# Altium PCB iMX53_BB_PCB_V1I2.PcbDoc (part 7 of 9)
Units mm, origin at the board's own origin, x right, y up, seen from the top; angles counter-clockwise.
Board outline 165 x 100.5 mm, 6 copper layers (Top, GND, SignalH, SignalV, Power, Bottom); 582 components, 590 nets, 2473 pads, 1817 vias.
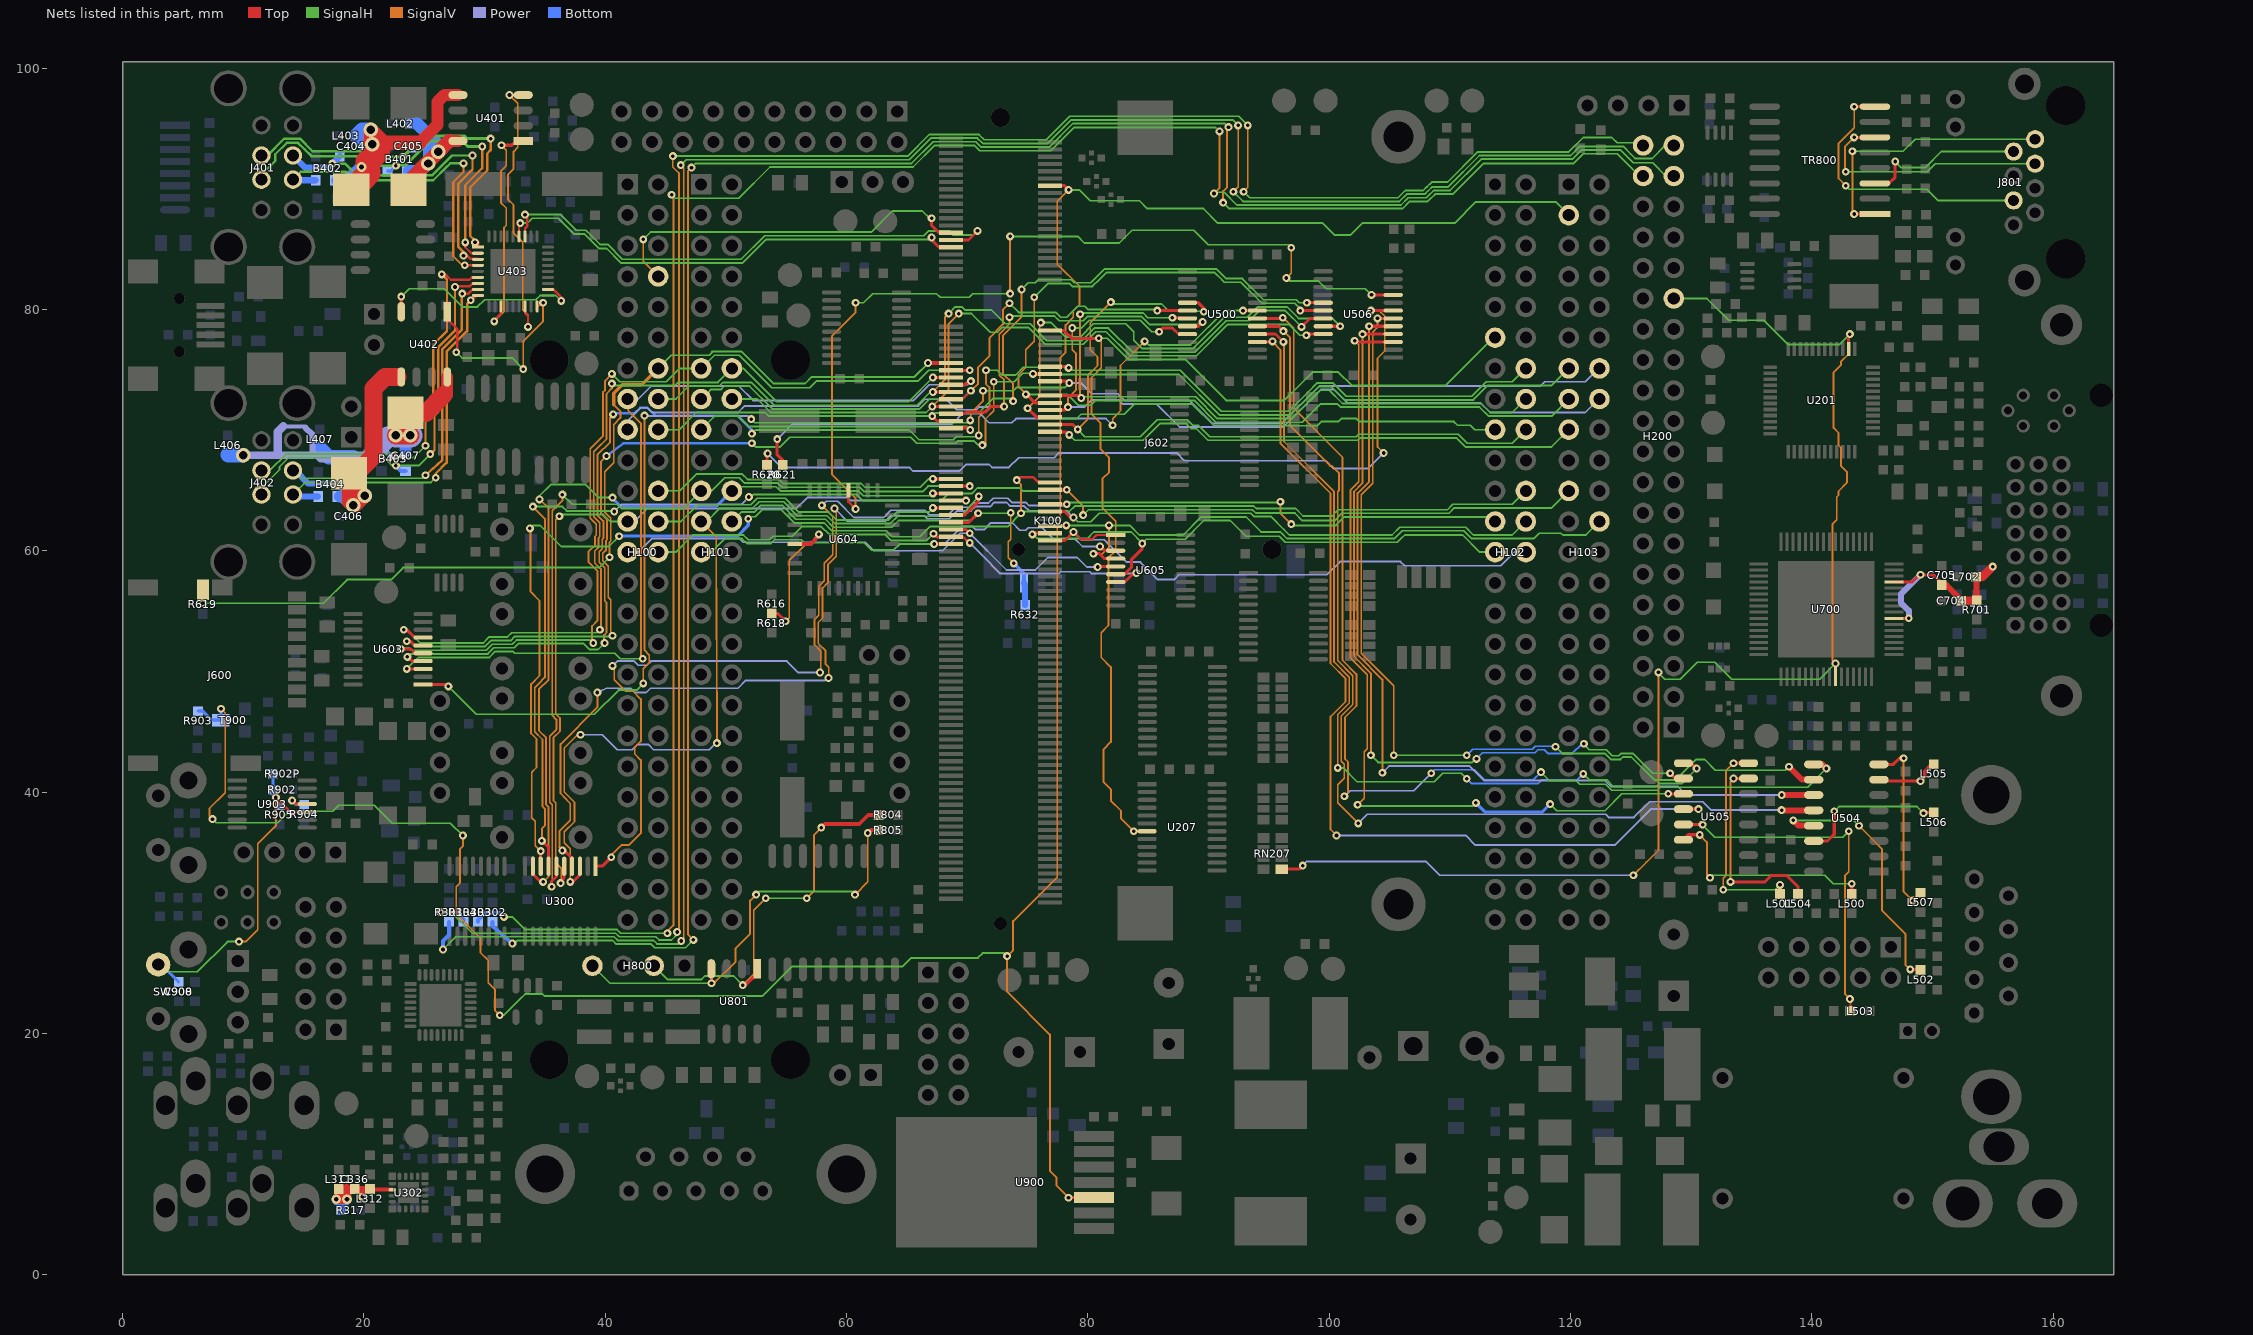
[diagram p11: the nets of this part, all layers, seen from the top]

## Via types
v1: diameter 0.65, hole 0.3, Top to Bottom, tented both sides, 1294 vias
v2: diameter 0.8, hole 0.4, Top to Bottom, tented both sides, 303 vias
v3: diameter 1.2, hole 0.7, Top to Bottom, tented both sides, 213 vias
v4: diameter 0.65, hole 0.3, Top to Bottom, 4 vias
v5: diameter 0.8, hole 0.4, Top to Bottom, 1 vias
v6: diameter 1.27, hole 0.711, Top to Bottom, tented both sides, 1 vias
v7: diameter 1.2, hole 0.7, Top to Bottom, 1 vias

## Nets (pads, with @x,y where several pads share a name; then routed paths per layer and width w, separated by ;. In a path a pad name is that pad's centre, name@x,y a point inside that pad or via, vN(x,y) a via of type N, cw(c..) or ccw(c..) an arc to the next point about the centre after c; other vN are vias at no path point) (continued)
POWER_ON: H103.3 K100.14 R903.1 T900.3 U900.3 | length 234.6
  Top w0.15: K100.14@76.527,90.25 K100.14@76.839,90.192
  Top w0.25: K100.14@76.85,90.25 78.05,90.25 v1(78.4,89.9) ; v1(78.393,6.38) U900.3@80.496,6.38
  SignalH w0.15: v1(7.45,37.75) 7.75,37.45 12.85,37.45 13.8,38.4 17.4,38.4 17.9,38.9 20.85,38.9 22.338,37.412 27.137,37.412 v1(28.2,36.4) ; v1(31.25,21.5) 31.6,21.5 32.878,22.778 33.35,23.25 34.8,23.25 34.95,23.1 53.05,23.1 55.5,25.55 64.65,25.55 65.354,26.254 70.878,26.254 71.274,26.65 73.05,26.65 v1(73.3,26.4) ; v1(78.4,89.9) 79.276,89.9 80.176,89 84.273,89 84.923,88.35 89.576,88.35 90.776,87.15 99.45,87.15 100.45,86.15 101.727,86.15 102.727,87.15 110.4,87.15 112.15,88.9 118.76,88.9 H103.3@119.85,87.81
  SignalV w0.15: v1(7.45,37.75) 7.2,38 7.2,38.65 8.5,39.95 8.5,46.55 v1(8.15,46.9) ; v1(28.2,36.4) 28.207,35.957 28.207,35.507 27.95,35.25 27.95,32.45 27.65,32.15 27.65,29.9 29.65,27.9 29.65,26.7 30.3,26.05 30.3,24.2 30.85,23.65 30.85,21.9 v1(31.25,21.5) ; v1(78.393,6.38) 77.4,7.373 77.4,8.05 76.85,8.6 76.85,19.9 73.3,23.45 v1(73.3,26.4) 73.8,26.9 73.8,29.3 77.45,32.95 77.45,62.2 77.7,62.45 77.7,76 78.15,76.45 78.15,78.7 78.783,79.333 78.783,79.883 79.3,80.4 79.3,81.9 77.45,83.75 77.45,88.95 v1(78.4,89.9)
  Bottom w0.25: R903.1@6.25,46.7 6.65,46.7 7.4,45.95 T900.3@8.15,45.95 v1(8.15,46.9)
PRTPWR1: U401.1 U403.12 | length 19
  Top w0.2: v1(30.8,79) 30.9,79.2 31.35,79.65 U403.12@31.35,80.25
  Top w0.25: v1(31.4,93.6) 32.25,93.6 32.6,93.95 U401.1@33.2,93.95
  SignalV w0.15: v1(30.8,79) 31.6,79.8 31.6,86.75 31.8,86.95 31.8,88.401 31.35,88.851 31.35,91.449 31.8,91.899 31.8,92 31.8,93.2 v1(31.4,93.6)
PRTPWR2: U401.4 U403.16 | length 23.5
  Top w0.2: v1(32.06,97.76) U401.4@33.2,97.76 ; U403.16@33.35,80.25 33.35,79.7 33.6,79.45 v1(33.6,78.55)
  SignalV w0.15: v1(32.06,97.76) 32.75,97.07 32.75,93.426 32.4,93.076 32.4,91.65 31.95,91.2 31.95,89.1 32.4,88.65 32.4,86.3 33.155,85.545 33.155,79.955 33.61,79.5 33.61,78.89 v1(33.6,78.55)
PRTPWR3: U402.1 U403.18 | length 16.7
  Top w0.2: U402.1@26.9,79.8 26.9,79.2 27.75,78.35 27.75,76.45 v1(27.65,76.45) ; U403.18@34.35,80.25 v1(34.85,80.55)
  SignalH w0.15: v1(27.65,76.45) 28.125,75.975 32.275,75.975 v1(33.2,75.05)
  SignalV w0.15: v1(33.2,75.05) 33.2,77.35 34.85,79 v1(34.85,80.55)
PRTPWR4: U402.4 U403.20 | length 17.7
  Top w0.2: U403.20@35.25,81.65 35.7,81.65 35.923,81.427 36.216,81.134 36.35,81 v1(36.35,80.7)
  Top w0.25: U402.4@23.09,79.8 v1(23.09,81.052)
  SignalH w0.15: v1(23.09,81.052) 23.738,81.7 26.65,81.7 28.15,80.2 29.4,80.2 30,80.8 34.25,80.8 34.6,81.15 35.9,81.15 v1(36.35,80.7)
PSAVE: H200.29 RN207.5 U201.38 U700.10 | length 112.1
  Top w0.15: U700.10@141.95,49.55 U700.10@141.951,49.499
  Top w0.2: U700.10@141.951,49.499 U700.10@141.95,49.55 v1(141.95,50.65)
  Top w0.25: RN207.5@96.062,33.605 97.505,33.605 v1(97.8,33.9) ; U201.38@143.05,76.7 143.05,77.85 v1(143.15,77.95)
  SignalH w0.15: v1@127.25,49.9 127.261,49.889 127.8,49.35 129.1,49.35 130.5,50.75 131.95,50.75 133.35,49.35 140.65,49.35 v1(141.95,50.65) ; H200.29@128.55,80.9 131.3,80.9 133.1,79.1 136,79.1 138,77.1 142.3,77.1 v1(143.15,77.95)
  SignalV w0.15: v1(125.2,33.1) 126.3,34.2 127.286,35.186 v1(127.286,49.914) ; v1(141.95,50.65) 141.7,50.9 141.7,62.2 142.05,62.55 142.05,64.45 142.2,64.6 142.2,64.924 142.9,65.624 142.9,66.526 142.4,67.026 142.4,68.551 142.2,68.751 142.2,69.776 141.8,70.176 141.8,74.775 142.4,75.375 142.4,75.65 143.05,76.3 143.05,77.85 v1(143.15,77.95)
  Power w0.15: v1(97.8,33.9) 98.15,34.25 108,34.25 109.15,33.1 v1(125.2,33.1)
PWM: H102.11 K100.42 U207.7 | length 87.7
  Top w0.15: K100.42@76.85,78.25 K100.42@76.95,78.25
  Top w0.25: K100.42@76.95,78.25 78,78.25 78.65,77.6 v1(80.9,77.6) ; v1(83.8,36.75) U207.7@84.9,36.75
  SignalH w0.15: v1(80.9,77.6) 81.6,77.6 83.35,75.85 88.05,75.85 91.45,72.45 96.276,72.45 97.637,73.812 98.626,74.8 100.75,74.8 101.85,73.7 109.651,73.7 H102.11@113.601,77.65
  SignalV w0.15: v1@81.1,77.4 81.1,75.15 80.3,74.35 80.3,71.3 81.05,70.55 81.05,68.4 81.75,67.7 81.75,66.5 81.2,65.95 81.2,63.55 82.3,62.45 82.3,60 81.7,59.4 81.7,53.8 81.1,53.2 81.1,51.15 81.9,50.35 81.9,44.149 81.3,43.549 81.3,40.826 81.9,40.226 81.9,39.276 82.75,38.426 82.75,37.8 83.307,37.243 v1(83.8,36.75)
PWR1: B401.1 C405.1 L402.1 U401.8 | length 15.7
  Top w1: C405.1@23.7,89.925 C405.1@23.7,90.6 ; U401.8@27.05,93.95 U401.8@27.8,93.95
  Top w1.2: C405.1@23.7,90.6 25.262,92.162 v3(26.175,93.075) U401.8@27.05,93.95
  Bottom w0.8: L402.1@23.8,95.4 24.4,95.4
  Bottom w1: B401.1@23.75,91.45 24.7,91.45 v3@25.051,91.801 ; 24.4,95.4 25.4,94.4 ; v3(25.337,92.087) v3@25.051,91.801 ; v3@25.4,92.15 v3@25.4,92.3 ; v3@25.051,91.801 25.051,91.951 25.262,92.162 v3@25.4,92.3 ; v3@25.4,92.3 v3(26.175,93.075) 26.175,93.625 25.4,94.4 ; v3@25.4,92.3 25.4,93.075 25.4,94.4
PWR2: B402.1 C404.1 L403.2 U401.5 | length 24.9
  Top w1: C404.1@18.95,89.925 19.8,90.775 C404.1@19.902,90.785 ; v3@20.836,93.836 21.261,93.411 ; 21.152,93.29 21.261,93.411 ; 21.65,93.8 21.261,93.411 ; 24.6,93.8 26.1,95.3 26.1,97.2 26.66,97.76 U401.5@27.8,97.76
  Top w1.2: v3(20.7,93.7) 20.55,93.85 v3(20.55,94.9) 21.225,94.225 21.65,93.8 24.6,93.8
  Top w2: C404.1@19.902,90.785 20.361,91.291 20.335,91.826 20.317,92.198 21.16,93.127 21.152,93.29
  Bottom w1: B402.1@17.8,90.7 18.55,90.7 v2(19.8,91.8) ; L403.2@19.3,94.4 19.35,94.4 20.15,94.4
  Bottom w1.2: L403.2@19.35,94.4 19.85,94.9 v3(20.55,94.9) 20.7,94.75 v3(20.7,93.7) 20.05,93.7 L403.2@19.35,94.4
PWR3: B403.1 C407.1 L406.1 U402.8 | length 39.2
  Top w1: C407.1@23.45,71.425 23.45,69.6 v3(23.85,69.55) ; 26.9,72.9 U402.8@26.9,74.4
  Top w1.5: v3(22.65,69.55) 23.45,69.55 v3(23.85,69.55) ; C407.1@23.45,71.425 25.125,71.425 26.6,72.9
  Power w0.35: 13.3,70.3 15.05,70.3 15.15,70.2
  Power w0.5: 15.15,70.2 15.75,69.6 15.75,67.95 16,67.95 ; 20.6,67.75 20.4,67.55 16.4,67.55 16,67.95 ; 20.65,67.95 16,67.95 ; 21.95,69.55 v3(22.65,69.55)
  Power w0.6: v3(10,67.9) 15.75,67.9
  Power w0.7: 12.85,67.95 12.85,69.85 13.3,70.3
  Power w1.5: 20.65,67.95 21.95,69.25 21.95,69.55
  Power w2: v3(22.65,69.55) v3(23.85,69.55)
  Bottom w0.5: v3@23.45,69.55 v3(23.85,69.55)
  Bottom w1: B403.1@23.45,68.4 v3@23.45,69.55
  Bottom w1.2: L406.1@8.7,67.95 8.75,67.9 v3(10,67.9) ; v3(22.65,69.55) 23.45,69.55 v3(23.85,69.55)
PWR4: B404.1 C406.1 L407.2 U402.5 | length 29
  Top w1: C406.1@19.375,66.425 C406.1@18.75,66.425 18.75,65.35 v3(20.05,64.55)
  Top w1.2: C406.1@18.75,66.425 18.75,65.35 18.75,64.1 v3(19.1,63.75) 19.25,63.75 v3(20.05,64.55)
  Top w1.5: C406.1@19.375,66.425 20.8,67.85 20.8,73.45 21.75,74.4 U402.5@22.79,74.4
  Bottom w1: L407.2@16.35,68.45 L407.2@16.4,68.45 ; B404.1@18,64.5 18.35,64.5 19.1,64.5 19.2,64.5 v3(20.05,64.55) v3@19.6,64.9
  Bottom w1.2: L407.2@16.4,68.45 17.1,67.75 19.1,67.75 19.6,67.25 19.6,65 ; B404.1@18.35,64.5 v3(19.1,63.75) 19.25,63.75 v3(20.05,64.55) 19.6,65 ; v3@19.6,64.9 19.6,65
RFGND: C336.2 L311.1 L312.1 R317.2 U302.3 | length 10.4
  Top w0.35: L312.1@20.55,7.05 U302.3@22.35,7.05
  Top w0.5: L311.1@17.9,7.1 18.55,7.1 19.85,7.1 ; v1(19.85,6.45) 19.85,7.1 ; L312.1@20.5,7.1 19.85,7.1
  Top w0.8: L311.1@17.9,7.1 17.9,6.45 v2(17.7,6.25) v2(18.6,6.25) 18.55,6.3 18.55,7.1
  Bottom w0.8: R317.2@18.1,5.35 18.1,5.75 ; 18.1,5.75 18.15,5.8 v2(18.6,6.25) v2(17.7,6.25) 18.1,5.85 18.1,5.75
RXCAN: H800.4 R805.1 U801.4 | length 35.8
  Top w0.25: U801.4@48.79,25.35 v1(48.8,24.15)
  Top w0.3: v1(61.75,36.6) 62,36.85 R805.1@62.65,36.85
  SignalH w0.15: H800.4@38.94,25.6 40.39,24.15 v1(48.8,24.15) ; v1@52.617,31.383 v1(52.5,31.5) 52.75,31.75 60.45,31.75 v1(60.7,31.5)
  SignalV w0.15: v1(48.8,24.15) 49,24.15 50.8,25.95 50.8,27.05 52,28.25 52,31 v1(52.5,31.5) ; v1(60.7,31.5) 61.75,32.55 v1(61.75,36.6)
RXN: J801.6 TR800.8 | length 23.5
  Top w0.25: v1(143.5,96.795) TR800.8@145.222,96.795
  SignalH w0.15: v1(142.8,90.25) 143.1,89.95 149.5,89.95 150.42,89.03 J801.6@156.72,89.03
  SignalV w0.15: v1(142.8,90.25) 142.206,90.844 142.206,93.756 143.5,95.05 v1(143.5,96.795)
RXP: J801.3 TR800.6 | length 21.4
  Top w0.25: v1(143.5,94.255) TR800.6@145.222,94.255
  SignalH w0.15: v1(142.8,91.4) 149.55,91.4 150.22,92.07 J801.3@158.5,92.07
  SignalV w0.15: v1(142.8,91.4) 142.75,91.15 142.75,91.4 142.75,93.505 v1(143.5,94.255)
SBWCK: R904.2 U903.11 | length 2.5
  Top w0.25: v1(14.05,39.3) 14.35,39 U903.11@15.3,39
  Bottom w0.25: v1(14.05,39.3) 14.4,38.95 R904.2@15.05,38.95
SBWIO: C908.1 R902.1 R902P.1 R905.2 SW900.1 U903.10 | length 30.1
  Top w0.25: v1(12.7,39.55) 13.9,38.35 U903.10@15.3,38.35
  SignalH w0.15: SW900.1@2.95,25.7 3.55,25.1 6.2,25.1 8.7,27.6 v1(9.65,27.6)
  SignalV w0.15: v1(9.65,27.6) 10.2,27.6 11.2,28.6 11.2,35.7 12.7,37.2 v1(12.7,39.55)
  Bottom w0.25: SW900.1@3.2,25.7 C908.1@4.65,24.25 ; R902P.1@12.45,41.5 R902.1@12.45,40.2 12.45,39.8 v1(12.7,39.55) ; R905.2@12.75,38.9 v1(12.7,39.55) ; R905.2@13,38.9 13,39.25 v1(12.7,39.55)
SCR_RESET: U506.9 U604.28 | length 75.7
  Top w0.2: U604.28@60.15,65 60.15,64.05 v1(60.75,63.45) ; v1@60.7,63.4 v1@60.8,63.3
  Top w0.25: v1(103.5,81.2) U506.9@105.3,81.2
  SignalH w0.15: v1(60.75,80.55) 61.4,80.55 62.15,81.3 67.45,81.3 67.75,81 70.15,81 70.45,81.3 v1(73.55,81.3) v1@73.65,81.3 ; v1(73.55,86.05) 79.15,86.05 79.7,85.5 82.6,85.5 83.65,86.55 88.754,86.55 89.954,85.35 96.6,85.35 v1(96.85,85.1) ; v1(96.45,82.6) 96.7,82.35 99.1,82.35 99.75,81.7 103,81.7 v1(103.5,81.2)
  SignalV w0.15: v1(60.75,63.45) 60.75,64.35 58.8,66.3 58.8,77.8 60.75,79.75 v1(60.75,80.55) ; v1(73.55,81.3) v1(73.55,86.05) v1@73.55,86.2 ; v1(96.45,82.6) 96.85,83 v1(96.85,85.1)
SCR_RXD: R620.1 U506.7 | length 69.4
  Top w0.25: R620.1@53.4,67.1 v1@53.4,68 ; v1(103.45,79.9) U506.7@105.3,79.9
  SignalV w0.15: v1(103.45,79.9) 104.15,79.9 104.6,79.45 104.6,76.55 104,75.95 104,68.6 v1(104.5,68.1)
  Power w0.15: v1(53.45,68.05) 54.6,66.9 65.2,66.9 65.5,66.6 69.35,66.6 69.9,67.15 71.8,67.15 72.05,66.9 73.45,66.9 74.25,67.7 77.2,67.7 77.6,68.1 87.35,68.1 88,67.45 99.7,67.45 100.35,66.8 103.2,66.8 v1(104.5,68.1)
SCR_SDWN: R616.1 R618.2 U604.5 | length 12.4
  Top w0.25: R618.2@53.8,54.8 54.3,54.8 v1(54.95,54.15)
  Top w0.3: U604.5@55.7,60.55 57.05,60.55 57.7,61.2 v1(57.7,61.35)
  SignalV w0.15: v1(54.95,54.15) 55.25,54.45 55.25,59.2 56.6,60.55 56.9,60.55 v1(57.7,61.35)
SCR_TXD: R621.1 U500.7 | length 50.4
  Top w0.25: v1(54.25,69.25) 54.25,67.95 54.7,67.5 R621.1@54.7,67.1 ; v1(92.85,79.9) U500.7@94.05,79.9
  SignalH w0.15: v1(84.7,77.35) 85,77.05 88.5,77.05 91.35,79.9 v1(92.85,79.9)
  SignalV w0.15: v1(82.05,70.4) 82.05,70.95 82.7,71.6 82.7,75.35 v1(84.7,77.35)
  Power w0.15: v1(54.25,69.25) 55.5,70.5 68.75,70.5 69.63,71.38 71.02,71.38 71.8,70.6 73.7,70.6 74.05,70.95 81.5,70.95 v1(82.05,70.4)
SD1_CD: H100.14 J600.10 K100.51 R619.2 | length 83.9
  Top w0.3: v1(66.75,75.55) 66.9,75.55 K100.51@68.65,75.55
  Top w0.5: v1(6.65,55.65) J600.10@6.65,56.75
  SignalH w0.15: v1(6.65,55.65) 16.65,55.65 18.6,57.6 22.25,57.6 23.25,58.6 39.5,58.6 v1(40.35,59.45) ; H100.14@44.39,75.11 45.48,76.2 48.6,76.2 48.9,76.5 ; 48.85,76.5 48.9,76.5 ; 48.9,76.5 51.3,76.5 53.95,73.85 56.55,73.85 57.1,74.4 65.6,74.4 ; 65.6,74.4 v1(66.75,75.55) 65.65,74.4 65.6,74.4
  SignalV w0.15: v1(40.35,59.45) 40.35,60.7 40.45,60.8 40.45,62.7 39.95,63.2 39.95,66.55 40.7,67.3 40.7,70.45 41.25,71 41.25,71.55 40.7,72.1
  SignalV w0.3: 40.7,72.1 40.7,73.05 41.4,73.75 43.03,73.75 H100.14@44.39,75.11
SD1_CLK: H100.15 K100.57 U603.3 | length 75.6
  Top w0.25: v1(23.55,50.2) U603.3@24.9,50.2 ; K100.57@68.65,73.75 69.8,73.75 70.1,74.05 v1(70.3,74.05)
  SignalH w0.15: v1(23.55,50.2) 24.5,51.15 30.397,51.15 30.897,51.65 32.35,51.65 32.5,51.5 40.8,51.5 41.25,51.05 v1(43.1,51.05)
  SignalV w0.15: H100.15@41.85,72.57 41.9,72.52 41.9,71.6 42.95,70.55 42.95,59.4 ; 42.956,59.394 42.956,51.194 v1(43.1,51.05)
  Power w0.15: H100.15@41.85,72.57 42.72,72.57 43.8,73.65 51.05,73.65 52.25,72.45 65.55,72.45 66.85,73.75 70,73.75 v1(70.3,74.05)
SD1_CMD: H103.14 K100.56 U603.1 | length 129.4
  Top w0.25: U603.1@24.9,48.9 26.85,48.9 v1(27,48.75) ; K100.56@76.85,74.05 78.3,74.05 v1(78.45,73.9)
  SignalH w0.15: v1(27,48.75) 29.3,46.45 39.1,46.45 41.1,48.45 42.6,48.45 v1(43.15,49) ; v1(52.1,70.9) 52.4,70.6 70.2,70.6 v1(70.25,70.8) ; v1(71.3,73.25) 73.8,73.25 74.069,73.519 78.069,73.519 v1(78.45,73.9)
  SignalV w0.15: v1(43.15,49) 43.15,50.2 43.65,50.7 43.65,51.35 43.256,51.744 v1(43.256,71.192) ; v1(70.25,70.8) 70.3,71.4 71.3,72.4 v1(71.3,73.25)
  Power w0.15: v1(43.256,71.192) 43.55,71.15 51.85,71.15 v1(52.1,70.9) ; v1(78.45,73.9) 79.4,73.9 80.3,73 82.476,73 83.026,72.45 88.4,72.45 90.3,70.55 96.076,70.55 99.176,73.65 117.5,73.65 117.85,74 121.23,74 H103.14@122.365,75.135
SD1_DATA0: H102.14 K100.52 U603.4 | length 127.6
  Top w0.25: v1(23.6,51.2) 23.95,50.85 U603.4@24.9,50.85 ; K100.52@76.85,75.25 78.3,75.25 v1(78.4,75.15)
  SignalH w0.15: v1(23.6,51.2) 23.85,51.45 30.273,51.45 30.773,51.95 32.45,51.95 32.8,52.3 38.2,52.3 38.7,51.8 39.4,51.8 v1(39.95,52.35) ; v1(52.15,69.7) 52.45,70 65.2,70 66,69.2 68.85,69.2 69.1,69.45 70.85,69.45 v1(70.95,69.55) ; v1(71.55,74.95) 72.5,74.95 72.9,74.55 74,74.55 74.65,75.2 78.35,75.2 v1(78.4,75.15) 78.6,74.95 87.65,74.95 91.05,71.55 96.65,71.55 98.248,73.148 98.25,73.148 99.001,73.9 100.3,73.9 101.4,72.8 111.826,72.8 113.026,74 115.18,74 H102.14@116.29,75.11
  SignalV w0.15: v1(39.95,52.35) 39.9,52.4 39.9,53 40.1,53.2 40.1,55.7 39.95,55.85 39.95,58.576 39.496,59.029 39.496,59.896 39.75,60.15 39.75,60.949 39.85,61.049 39.85,62.451 39.35,62.951 39.35,67.95 40.4,69 40.4,71.05 v1(40.65,71.3) ; v1(70.95,69.55) 70.95,71.05 71.85,71.95 71.85,73.5 71.55,73.8 v1(71.55,74.95)
  Bottom w0.2: v1(40.65,71.3) 40.75,71.4 42.45,71.4 42.9,71.85 43.5,71.85 44.15,71.2 50.95,71.2 52.15,70 v1(52.15,69.7)
SD1_DATA1: H101.13 K100.53 U603.5 | length 76.9
  Top w0.25: v1(23.05,51.85) 23.9,51.85 24.25,51.5 U603.5@24.9,51.5 ; K100.53@68.65,74.95 v1(70.2,74.95)
  SignalH w0.15: v1@23.15,51.95 23.7,51.95 23.9,51.75 30.149,51.75 30.649,52.25 32.3,52.25 32.65,52.6 38.75,52.6 v1(39,52.35) ; v1(40.55,74.65) 41.2,74 45.05,74 46.16,75.11 H101.13@47.95,75.11 ; H101.13@47.96,75.11 49.05,76.2 51.1,76.2 53.8,73.5 56.95,73.5 57.5,74.05 65.9,74.05 66.8,74.95 v1(70.2,74.95)
  SignalV w0.15: v1(39,52.35) 38.9,52.154 38.9,52.35 38.9,53.75 39.35,54.2 39.35,58.327 38.6,59.077 38.6,59.9 39.15,60.45 39.15,61.197 39.25,61.297 39.25,62.203 38.75,62.703 38.75,68.45 39.8,69.5 39.8,70.4 39.8,73.124 39.983,73.307 39.983,74.083 v1(40.55,74.65)
SD1_DATA2: H103.13 K100.54 U603.6 | length 126.8
  Top w0.15: K100.54@76.25,74.65 K100.54@76.85,74.65
  Top w0.25: v1(23.55,52.5) 23.85,52.5 24.2,52.15 U603.6@24.9,52.15 ; v1@75.5,74.65 K100.54@76.85,74.65
  SignalH w0.15: v1@23.6,52.55 v1(23.55,52.5) 23.75,52.5 24.2,52.05 30.024,52.05 30.524,52.55 32.15,52.55 32.5,52.9 40.55,52.9 v1(40.6,52.95) ; v1(52.15,68.9) 52.45,68.6 54.5,68.6 55.3,69.4 65.3,69.4 65.8,68.9 69.05,68.9 69.25,69.1 70.55,69.1 70.877,68.773 v1@71.227,68.773 ; v1(72.2,74) 73.9,74 74.6,74.7 v1@75.45,74.7 ; v1@75.551,74.6 87.55,74.6 90.9,71.25 96.776,71.25 98.324,72.798 98.785,73.259 99.126,73.6 100.15,73.6 101.25,72.5 111.95,72.5 113.15,73.7 118.44,73.7 H103.13@119.85,75.11
  SignalV w0.15: v1(40.1,67.85) 39.65,67.4 39.65,63.076 40.15,62.576 40.15,60.924 40.05,60.824 40.05,60.026 39.798,59.774 39.798,59.152 40.25,58.7 40.25,56.15 40.45,55.95 40.45,53.1 v1(40.6,52.95) ; v1(71.25,68.75) 71.514,68.714 71.514,68.75 71.514,69.114 71.514,70.914 72.099,71.499 72.2,71.6 v1(72.2,74)
  Bottom w0.2: v1(40.1,67.85) 41.5,68.9 v1(52.15,68.9)
  other v1: 75.45,74.65
SD1_DATA3: H101.14 K100.55 U603.7 | length 71.4
  Top w0.25: v1(23.3,53.45) 23.55,53.45 24.2,52.8 U603.7@24.9,52.8 ; v1(67.15,74.35) K100.55@68.65,74.35
  SignalH w0.15: v1(23.3,53.45) 23.55,53.45 24.65,52.35 29.9,52.35 30.4,52.85 31.9,52.85 32.25,53.2 39.3,53.2 v1(39.55,53.45) ; v1(40.55,73.85) 40.7,73.7 43.7,73.7 45.8,73.7 46.05,73.95 49.33,73.95 H101.14@50.49,75.11 51.44,75.11 54.2,72.35 65.15,72.35 v1(67.15,74.35)
  SignalV w0.15: v1(39.55,53.45) 39.65,53.55 39.65,58.451 39.124,58.977 39.124,59.974 39.45,60.3 39.45,61.073 39.55,61.173 39.55,62.327 39.05,62.827 39.05,68.2 39.339,68.489 40.1,69.25 40.1,73 40.55,73.45 v1(40.55,73.85)
SD2_CD: H101.24 J602.10 K100.95 R632.2 | length 35.8
  Top w0.25: K100.95@68.65,62.35 70.15,62.35 v1(70.9,63.1)
  SignalH w0.15: H101.24@50.49,62.42 51.27,63.2 52.35,63.2 52.9,63.75 54.651,63.75 55.801,62.6 58.251,62.6 58.901,61.95 63.749,61.95 64.299,62.5 70.335,62.5 70.9,63.065 v1(70.9,63.1) 73.6,63.1 v1(73.6,63.15)
  SignalV w0.15: v1(73.6,63.15) 73.6,60.95 73.4,60.75 73.4,59.4 v1(73.85,58.95)
  Bottom w0.3: v1(73.85,58.95) 74.7,58.1 J602.10@74.7,57.3
  Bottom w0.5: J602.10@74.7,57.3 74.8,57.2 R632.2@74.8,55.5
SD2_CLK: H101.25 K100.101 U605.3 | length 39.1
  Top w0.25: v1(67.25,60.55) K100.101@68.65,60.55 ; v1@81.05,60.35 81.4,60 U605.3@82.3,60
  SignalH w0.15: H101.25@47.95,59.88 48.78,59.88 49.9,61 51.326,61 51.726,60.6 53.724,60.6 54.024,60.9 56.25,60.9 56.5,60.65 61.45,60.65 62.038,60.062 63.912,60.062 64.4,60.55 v1(67.25,60.55)
  Power w0.15: v1(67.25,60.55) 68.076,60.55 69.526,62 70.45,62 70.703,61.747 71.397,61.747 71.95,62.3 73.75,62.3 74.351,61.699 74.849,61.699 75.05,61.9 76.2,61.9 77.15,60.95 78.95,60.95 79.55,60.35 v1(81,60.35) v1@81.05,60.35
SD2_CMD: H102.26 K100.100 U605.1 | length 46
  Top w0.2: v1(78.8,61.55) 79.4,60.95 80.35,60.95 80.7,61.3 U605.1@82.3,61.3
  Top w0.25: K100.100@76.85,60.85 78.1,60.85 v1(78.8,61.55) v1@78.8,61.4
  Power w0.15: v1(78.8,61.55) 79.45,60.9 81.35,60.9 83.2,59.05 84.35,59.05 85.8,57.6 87.15,57.6 87.55,58 99.8,58 100.9,59.1 105.9,59.1 106.25,58.75 114.2,58.75 115.33,59.88 H102.26@115.69,59.88
SD2_DATA0: H103.24 K100.96 U605.4 | length 53.9
  Top w0.15: K100.96@76.85,62.05 K100.96@76.9,62.1
  Top w0.25: K100.96@76.85,62.05 v1@78.15,62.05 ; v1(80.45,59.75) 80.95,59.75 81.35,59.35 U605.4@82.3,59.35
  SignalH w0.15: v1(78.2,62.1) v1(81.75,62.1) 83.45,62.1 83.5,62.05 84.25,61.3 87.9,61.3 89.4,62.8 93.1,62.8 94.35,61.55 95.95,61.55 96.108,61.392 96.5,61 105.4,61 106.05,61.65 111.15,61.65 111.8,61 116.95,61 117.4,61.45 119.2,61.45 119.35,61.3 121.27,61.3 H103.24@122.39,62.42
  SignalV w0.15: v1(80.45,59.75) 81.2,59.75 81.75,60.3 v1(81.75,62.1)
SD2_DATA1: H100.25 K100.97 U605.5 | length 46.3
  Top w0.25: K100.97@68.65,61.75 69.9,61.75 v1(70.2,61.45) ; v1(80.8,58.65) 80.85,58.7 U605.5@82.3,58.7 U605.5@82.95,58.7
  Power w0.15: H100.25@41.85,59.88 42.73,59.88 43.85,61 51.15,61 51.45,60.7 61.55,60.7 62.25,60 67.95,60 69.4,61.45 v1(70.2,61.45) 73.25,58.4 75.65,58.4 76.687,59.437 79.113,59.437 79.9,58.65 v1(80.8,58.65)
SD2_DATA2: H102.25 K100.98 U605.6 | length 46.9
  Top w0.25: v1(75.4,61.35) 75.5,61.45 K100.98@76.85,61.45 ; U605.6@82.3,58.05 83.05,58.05 83.6,58.6 83.6,59.25 84.5,60.15 v1(84.5,60.6)
  SignalH w0.15: v1(75.4,61.35) 75.848,61 79.95,61 80.5,61.55 83.576,61.55 v1@84.513,60.613 ; v1(84.5,60.6) 84.85,60.95 88.05,60.95 89.6,62.5 91.8,62.5 93.1,61.2 95.85,61.2 95.935,61.115 96.35,60.7 105.65,60.7 105.931,60.981 106.25,61.3 111.05,61.3 112.47,59.88 H102.25@113.75,59.88
SD2_DATA3: H100.26 K100.99 U605.7 | length 45
  Top w0.15: K100.99@68.65,61.15 K100.99@68.7,61.15
  Top w0.2: K100.99@68.7,61.15 69.65,61.15 v1@70.15,60.65
  Top w0.25: v1(67.2,61.4) 67.45,61.15 K100.99@68.65,61.15 K100.99@68.7,61.15 ; U605.7@82.3,57.4 83.05,57.4 83.8,58.15 v1(84,58.15)
  SignalH w0.15: H100.26@44.39,59.88 45.83,59.88 47.25,61.3 51.45,61.3 51.85,60.9 53.6,60.9 53.9,61.2 55.5,61.2 56.3,62 57.9,62 58.55,61.35 63.176,61.35 63.676,60.85 66.65,60.85 v1(67.2,61.4)
  Power w0.15: v1(70.2,60.65) 71.245,59.605 72.75,58.1 77.6,58.1 77.75,58.25 80.15,58.25 80.3,58.1 83.95,58.1 v1(84,58.15)
SSI1_CLK: H103.21 K100.86 U300.7 | length 122.9
  Top w0.25: v1(34.75,35.95) 35.3,35.4 U300.7@35.3,33.85 ; K100.86@76.85,65.05 v1(78.25,65.05)
  SignalH w0.15: v1(34,63.65) 36.45,63.65 36.8,63.3 40.7,63.3 v1(40.75,63.25) ; v1(51.9,64.45) 52.3,64.65 60.85,64.65 61.35,64.15 67.85,64.15 68.45,64.75 70.4,64.75 70.85,65.2 74.35,65.2 74.6,64.95 78.15,64.95 v1(78.25,65.05) ; v1(79.6,62.95) 80.05,63.4 93.624,63.4 93.9,63.124 97.152,63.124 97.778,62.497 100.447,62.497 101.05,63.1 109.924,63.1 110.374,63.55 118.44,63.55 H103.21@119.85,64.96
  SignalV w0.15: v1(34,63.65) 35,62.65 35,49.495 34.443,48.938 34.155,48.65 34.155,44.995 34.8,44.35 34.8,38.812 35,38.612 35,37.2 34.75,36.95 v1(34.75,35.95) ; v1(78.25,65.05) 79.6,63.7 v1(79.6,62.95)
  Power w0.15: v1(40.75,63.25) 41.35,63.85 51.3,63.85 v1(51.9,64.45)
SSI1_FS: H101.22 K100.87 U300.9 | length 71.6
  Top w0.25: U300.9@34,33.85 34,33.2 34.65,32.55 v1(34.85,32.55) ; v1(67.15,64.75) K100.87@68.65,64.75
  SignalH w0.15: v1(34.55,64.25) 34.55,64.55 35.481,65.481 38.369,65.481 39.45,64.4 v1(40.6,64.4) ; H101.22@50.49,64.96 50.83,65.3 54.15,65.3 54.5,64.95 60.974,64.95 61.374,64.55 66.95,64.55 v1(67.15,64.75)
  SignalV w0.15: v1@34.5,64.25 v1@34.525,64.225 ; v1(34.55,64.25) 35.3,63.5 35.3,49.299 34.501,48.5 34.501,45.099 35.1,44.5 35.1,38.95 35.3,38.75 35.3,37.076 35.3,33 v1(34.85,32.55)